# Altium PCB HYDRA_V4_NAV.PcbDoc (part 1 of 2) (continued)
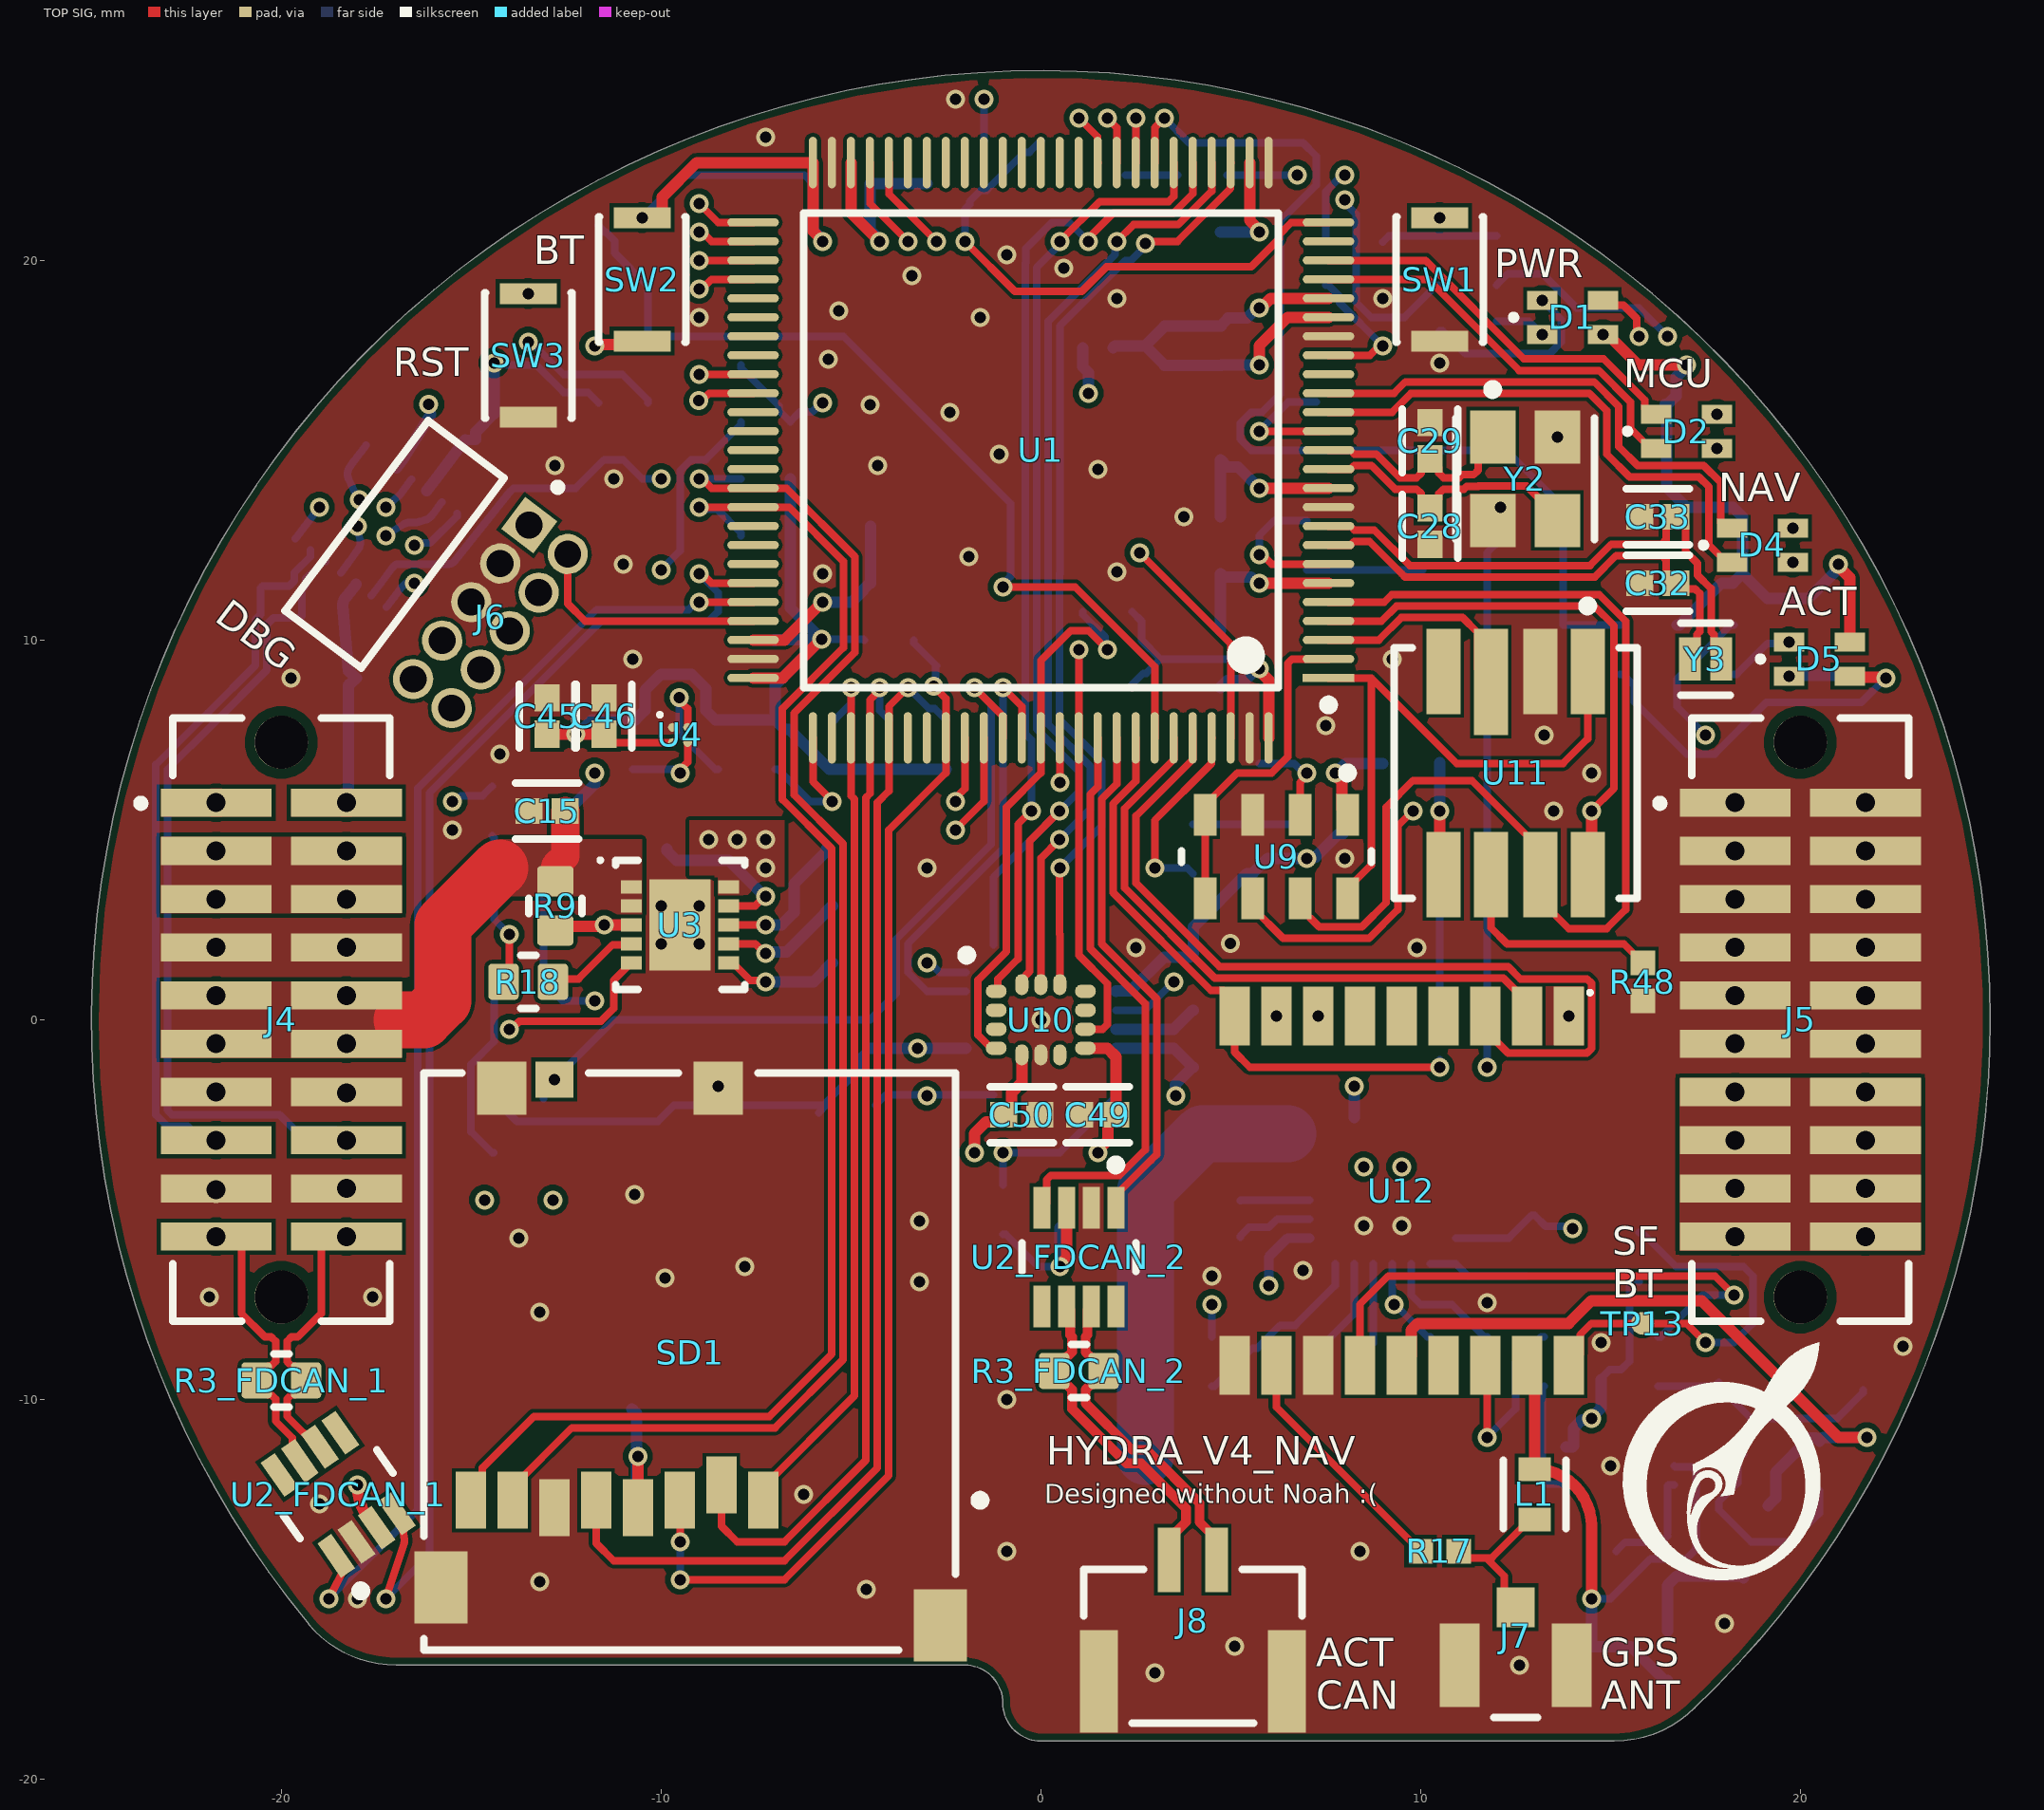
[diagram p0: TOP SIG view]
## Components (designator, comment, footprint, x,y, rotation, side; value= is the part's Value field where it differs from the comment) (continued)
U4 "MMC5633NJL" BGA4C40P2X2_85X85X60 -9.5,7.5 r0 top
U6 "TCAN1146DYYRQ1" TCAN1146DYYRQ1-Footprint-1 -17.5,13 r233 bottom locked
U8 "IIM-20670" PQFN50P450X450X115_HS-25N 0,0 r270 bottom
U9 "MS561101BA03-50" MSI-MS561101BA03-50-8_V 6.2,4.3 r270 top
U10 "ICM-45686" PQFN50P300X250X86-14N 0,0 r0 top
U11 "MS580301BA01-00" FP-MS580301BA01-00-MFG 12.5,6.5 r90 top
U12 "MAX-M10M-00B" MAX-M10M-00B-Footprint-1 9.5,-4.5 r270 top
U13 "LT6000IDCB#TRMPBF" FP-DCB-6-05-08-1715-MFG 15.25,-11.75 r180 bottom
U14 "TPS259830ONRGER" QFN50P400X400X100_HS-25N 9,-4.5 r180 bottom
Y2 "ABM8G-25.000MHZ-18-D2Y-T" FP-ABM8G-MFG 12.75,14.25 r270 top
Y3 "ECS-.327-12.5-1210-TR" FP-ECX-1210-MFG 17.5,9.5 r0 top

## Footprints (in the part's own frame and the unit in brackets; to place one, negate y for a bottom-side part, rotate by r counter-clockwise, add the part's x,y. Pads: shape width x height; smd on the part's side, far side on the other; paste and mask are expansions set on the pad)
BGA4C40P2X2_85X85X60 [mm] "BGA, 4-Leads, Body 0.85x0.85mmx0.60mm, Pitch 0.40mm"
  round 0.23 smd: A1(-0.2,0.2) A2(0.2,0.2) B1(-0.2,-0.2) B2(0.2,-0.2)
  silkscreen extent -0.58,0.48 -0.48,0.58, body extent -0.43,-0.43 0.43,0.43, height 0.6
DIOD-SOT323-3_V [mm] "SOT323, 3-Leads, Body 2.2x1.35mm, Pitch 0.65mm"
  rect 0.9x0.7 smd: 1(-0.95,0.65) 2(-0.95,-0.65) 3(0.95,0)
  silkscreen extent -1.07,-1.1 0.67,1.67, body extent -1.1,-1.1 1.1,1.1, height 1.07
FP-0402-L_1_0_0_05-W_0_5-IPC_A [mm]
  rect 0.715x0.672 smd paste+0 mask+0: 1(-0.479,0) 2(0.479,0)
  silkscreen extent -0.84,-0.74 0.84,0.74, body extent -0.5,-0.25 0.5,0.25, height 0.55
FP-0466-MFG [mil]
  rect 45x80 smd paste+0 mask+0: 1(-52.5,0) 2(52.5,0)
  silkscreen extent -15,-32 15,32, body extent -62,-30 63,30, height 26
FP-0603L-MFG [mm]
  rect 1x1 smd paste+0 mask+0: 1(-0.9,0) 2(0.9,0)
  silkscreen extent -0.03,-0.5 0.03,0.5, body extent -0.8,-0.4 0.8,0.4, height 0.75
FP-205338-0004-MFG [mm]
  rect 1.1x1.45 smd paste+0 mask+0: 1(3,-3.725) 2(1,-3.725) 3(-1,-3.725) 4(-3,-3.725)
  rect 1.35x2.9 smd paste+0 mask+0: 5(-5.895,2.25) 6(5.895,2.25)
  silkscreen extent -6.07,-5.15 6.07,3.9, body extent -6.38,-4.15 6.38,3.8, height 2.8
FP-ABM8G-MFG [mm]
  rect 1.4x1.2 smd paste+0 mask+0: 1(-1.1,-0.85) 2(1.1,-0.85) 3(1.1,0.85) 4(-1.1,0.85)
  silkscreen extent -2.47,-1.83 1.6,1.83, body extent -1.9,-1.55 1.9,1.55, height 0.25
FP-BLM15-0_05-MFG [mm]
  rect 0.4x0.5 smd paste+0 mask+0: 1(-0.4,0) 2(0.4,0)
  silkscreen extent -0.53,-0.63 0.52,0.63, body extent -0.5,-0.25 0.5,0.25, height 0.55
FP-DCB-6-05-08-1715-MFG [mm]
  rect 0.7x0.25 smd paste+0 mask+0: 1(-1.425,0.5) 2(-1.425,0) 3(-1.425,-0.5) 4(1.425,-0.5) 5(1.425,0) 6(1.425,0.5)
  rect 1.65x1.35 smd paste+0 mask+0: 7(0,0)
  silkscreen extent -2.58,-1.05 1.55,1.05, body extent -1.5,-1 1.5,1, height 0.8
FP-DCN0008A-MFG [mm]
  rect 1.1x0.45 smd paste+0 mask+0: 1(-1.3,0.975) 2(-1.3,0.325) 3(-1.3,-0.325) 4(-1.3,-0.975) 5(1.3,-0.975) 6(1.3,-0.325) 7(1.3,0.325) 8(1.3,0.975)
  silkscreen extent -2.55,-1.5 0.38,1.5, body extent -1.95,-1.85 1.95,1.85, height 0.25
FP-ECX-1210-MFG [mm]
  rect 0.575x1.14 smd paste+0 mask+0: 1(-0.413,0) 2(0.413,0)
  silkscreen extent -0.65,-0.95 0.65,0.95, body extent -0.8,-0.67 0.8,0.67, height 0.25
FP-KXT331LHS-MFG [mm]
  rect 0.55x1.5 smd paste+0 mask+0: 1(-1.625,0) 2(1.625,0)
  silkscreen extent -1.65,-1.15 1.65,1.15, body extent -2,-1.25 2,1.25, height 0.25
FP-LQFP100-1L-IPC_C [mm]
  rect 1.355x0.212 smd paste+0 mask+0: 1(-7.575,6)
  rrect100% 1.355x0.212 smd paste+0 mask+0: 2(-7.575,5.5) 3(-7.575,5) 4(-7.575,4.5) 5(-7.575,4) 6(-7.575,3.5) 7(-7.575,3) 8(-7.575,2.5) 9(-7.575,2) 10(-7.575,1.5) 11(-7.575,1) 12(-7.575,0.5) 13(-7.575,0) 14(-7.575,-0.5) 15(-7.575,-1) 16(-7.575,-1.5) 17(-7.575,-2) 18(-7.575,-2.5) 19(-7.575,-3) 20(-7.575,-3.5) 21(-7.575,-4) 22(-7.575,-4.5) 23(-7.575,-5) 24(-7.575,-5.5) 25(-7.575,-6) 51(7.575,-6) 52(7.575,-5.5) 53(7.575,-5) 54(7.575,-4.5) 55(7.575,-4) 56(7.575,-3.5) 57(7.575,-3) 58(7.575,-2.5) 59(7.575,-2) 60(7.575,-1.5) 61(7.575,-1) 62(7.575,-0.5) 63(7.575,0) 64(7.575,0.5) 65(7.575,1) 66(7.575,1.5) 67(7.575,2) 68(7.575,2.5) 69(7.575,3) 70(7.575,3.5) 71(7.575,4) 72(7.575,4.5) 73(7.575,5) 74(7.575,5.5) 75(7.575,6)
  rrect100% 0.212x1.355 smd paste+0 mask+0: 26(-6,-7.575) 27(-5.5,-7.575) 28(-5,-7.575) 29(-4.5,-7.575) 30(-4,-7.575) 31(-3.5,-7.575) 32(-3,-7.575) 33(-2.5,-7.575) 34(-2,-7.575) 35(-1.5,-7.575) 36(-1,-7.575) 37(-0.5,-7.575) 38(0,-7.575) 39(0.5,-7.575) 40(1,-7.575) 41(1.5,-7.575) 42(2,-7.575) 43(2.5,-7.575) 44(3,-7.575) 45(3.5,-7.575) 46(4,-7.575) 47(4.5,-7.575) 48(5,-7.575) 49(5.5,-7.575) 50(6,-7.575) 76(6,7.575) 77(5.5,7.575) 78(5,7.575) 79(4.5,7.575) 80(4,7.575) 81(3.5,7.575) 82(3,7.575) 83(2.5,7.575) 84(2,7.575) 85(1.5,7.575) 86(1,7.575) 87(0.5,7.575) 88(0,7.575) 89(-0.5,7.575) 90(-1,7.575) 91(-1.5,7.575) 92(-2,7.575) 93(-2.5,7.575) 94(-3,7.575) 95(-3.5,7.575) 96(-4,7.575) 97(-4.5,7.575) 98(-5,7.575) 99(-5.5,7.575) 100(-6,7.575)
  silkscreen extent -7.7,-6.25 6.25,6.83, body extent -8.35,-8.35 8.35,8.35, height 0.25
FP-LQW18AN_00-MFG [mm]
  rect 0.625x0.85 smd paste+0 mask+0: 1(-0.663,0) 2(0.663,0)
  silkscreen extent -0.9,-0.82 0.9,0.82, body extent -0.8,-0.4 0.8,0.4, height 1
FP-MS580301BA01-00-MFG [mm]
  rect 2.25x0.9 smd paste+0 mask+0: 1(2.675,-1.9) 2(2.675,-0.65) 4(2.675,1.9) 5(-2.675,1.9) 6(-2.675,0.65) 7(-2.675,-0.65) 8(-2.675,-1.9)
  rect 2.8x0.9 smd paste+0 mask+0: 3(2.4,0.65)
  silkscreen extent -3.3,-3.2 4.52,3.2, body extent -3.9,-3.3 3.9,3.3, height 0.25
FP-SM02B-GHS-TB_LF_SN-MFG [mm]
  rect 0.6x1.7 smd paste+0 mask+0: 1(-0.625,2.275) 2(0.625,2.275)
  rect 1x2.7 smd paste+0 mask+0: 3(-2.475,-0.925) 4(2.475,-0.925)
  silkscreen extent -2.88,-2.02 2.88,2.02, body extent -3.08,-2.37 3.08,3.22, height 0.25
FP-U_FL-R-SMT_10-MFG [mm]
  rect 1x1.05 smd paste-1000 mask+0: 1(0,1.525)
  rect 1.05x2.2 smd paste-1000 mask+0: 2(-1.475,0) 3(1.475,0)
  silkscreen extent -0.58,-1.38 0.58,-1.38, body extent -2.1,-1.48 2.1,2.15, height 0.25
FTSH-105-01-F-D-RA-K-Footprint-1 [mm]
  rect 1.06x1.06 hole 0.71: 01(2.54,0)
  round 1.06 hole 0.71: 02(2.54,-1.27) 03(1.27,0) 04(1.27,-1.27) 05(0,0) 06(0,-1.27) 07(-1.27,0) 08(-1.27,-1.27) 09(-2.54,0) 10(-2.54,-1.27)
  silkscreen extent -3.13,-0.1 3.88,3.78, body extent -3.14,-1.54 3.14,6.92, height 5.04
MAX-M10M-00B-Footprint-1 [mm]
  rect 1.55x0.8 smd: 1(-4.6,4.4) 2(-4.6,3.3) 3(-4.6,2.2) 4(-4.6,1.1) 5(-4.6,0) 6(-4.6,-1.1) 7(-4.6,-2.2) 8(-4.6,-3.3) 9(-4.6,-4.4) 10(4.6,-4.4) 11(4.6,-3.3) 12(4.6,-2.2) 13(4.6,-1.1) 14(4.6,0) 15(4.6,1.1) 16(4.6,2.2) 17(4.6,3.3) 18(4.6,4.4)
  silkscreen extent -5.26,4.91 -5.16,5.01, body extent -4.85,-5.35 4.85,5.05, height 2.7
MOLX-473521001_V [mm] "SMD, 8-Leads, Body 15.2x14mm, Pitch 1.1mm"
  rect 0.8x1.5 smd: 1(1.94,-3.66) 2(0.84,-3.26) 3(-0.26,-3.66) 4(-1.36,-3.86) 5(-2.46,-3.66) 6(-3.56,-3.86) 7(-4.66,-3.66) 8(-5.76,-3.66)
  rect 1x0.95 smd: 9(-3.56,7.425)
  rect 1.3x1.4 smd: 10(-4.95,7.2) 11(0.75,7.2)
  rect 1.4x1.9 smd: 12(6.6,-6.95) 13(-6.55,-5.95)
  silkscreen extent -7,-7.6 7.78,7.6, body extent -7.05,-7.6 7.05,7.6, height 1.85
MSI-MS561101BA03-50-8_V [mm] "SMD, 8-Leads, Body 5x3mm, Pitch 1.25mm"
  rect 1.1x0.6 smd: 1(-1.1,1.875) 2(-1.1,0.625) 3(-1.1,-0.625) 4(-1.1,-1.875) 5(1.1,-1.875) 6(1.1,-0.625) 7(1.1,0.625) 8(1.1,1.875)
  silkscreen extent -2.32,-2.5 0.15,2.5, body extent -1.5,-2.5 1.5,2.5, height 1
"New footprint 1" [mm]
  round 0.6 smd paste-1: 1(0,0)
ONSC-SOD-523-2-502-01_V [mm] "SOD, 2-Leads, Body 1.2x0.8mm"
  rect 0.48x0.4 smd: 1(-0.66,0) 2(0.66,0)
  silkscreen extent -0.75,-0.4 0.07,0.65, body extent -0.6,-0.4 0.6,0.4, height 0.7
PQFN50P300X250X86-14N [mm] "PQFN, 14-Leads, Body 3.00x2.50mm, Pitch 0.50mm, IPC Medium Density"
  oval 0.55x0.35 smd: 1(-1.175,0.75) 2(-1.175,0.25) 3(-1.175,-0.25) 4(-1.175,-0.75) 8(1.175,-0.75) 9(1.175,-0.25) 10(1.175,0.25) 11(1.175,0.75)
  oval 0.35x0.55 smd: 5(-0.5,-0.925) 6(0,-0.925) 7(0.5,-0.925) 12(0.5,0.925) 13(0,0.925) 14(-0.5,0.925)
  silkscreen extent -2.07,1.58 -1.82,1.82, body extent -1.5,-1.25 1.5,1.25, height 0.86
PQFN50P450X450X115_HS-25N [mm] "PQFN, 24-Leads, Body 4.50x4.50mm, Pitch 0.50mm, Thermal Pad 2.94x2.94mm, IPC Medium Density"
  oval 0.65x0.35 smd: 1(-1.975,1.25) 2(-1.975,0.75) 3(-1.975,0.25) 4(-1.975,-0.25) 5(-1.975,-0.75) 6(-1.975,-1.25) 13(1.975,-1.25) 14(1.975,-0.75) 15(1.975,-0.25) 16(1.975,0.25) 17(1.975,0.75) 18(1.975,1.25)
  oval 0.35x0.65 smd: 7(-1.25,-1.975) 8(-0.75,-1.975) 9(-0.25,-1.975) 10(0.25,-1.975) 11(0.75,-1.975) 12(1.25,-1.975) 19(1.25,1.975) 20(0.75,1.975) 21(0.25,1.975) 22(-0.25,1.975) 23(-0.75,1.975) 24(-1.25,1.975)
  rect 2.94x2.94 smd: 25(0,0)
  silkscreen extent -3.07,-2.3 2.3,2.3, body extent -2.3,-2.3 2.3,2.3, height 1.15
PSON50P300X100_HS-11N [mm] "PSON, 10-Leads, Body 3.00x3.00mm, Pitch 0.50mm, Thermal Pad 2.40x1.62mm, IPC Medium Density"
  rect 0.55x0.35 smd: 1(-1.285,1) 2(-1.285,0.5) 3(-1.285,0) 4(-1.285,-0.5) 5(-1.285,-1) 6(1.285,-1) 7(1.285,-0.5) 8(1.285,0) 9(1.285,0.5) 10(1.285,1)
  rect 1.62x2.4 smd: 11(0,0)
  silkscreen extent -2.15,-1.7 1.7,1.75, body extent -1.55,-1.55 1.55,1.55, height 1
QFN50P400X400X100_HS-25N [mm] "QFN, 24-Leads, Body 4.00x4.00mm, Pitch 0.50mm, Thermal Pad 2.65x2.65mm, IPC Medium Density"
  oval 0.85x0.25 smd: 1(-1.925,1.25) 2(-1.925,0.75) 3(-1.925,0.25) 4(-1.925,-0.25) 5(-1.925,-0.75) 6(-1.925,-1.25) 13(1.925,-1.25) 14(1.925,-0.75) 15(1.925,-0.25) 16(1.925,0.25) 17(1.925,0.75) 18(1.925,1.25)
  oval 0.25x0.85 smd: 7(-1.25,-1.925) 8(-0.75,-1.925) 9(-0.25,-1.925) 10(0.25,-1.925) 11(0.75,-1.925) 12(1.25,-1.925) 19(1.25,1.925) 20(0.75,1.925) 21(0.25,1.925) 22(-0.25,1.925) 23(-0.75,1.925) 24(-1.25,1.925)
  rect 2.65x1.4 smd: 25(0,0.625)
  rect 2.65x0.8 smd: 26(0,-0.935)
  silkscreen extent -2.98,-2.2 2.2,2.2, body extent -2.05,-2.05 2.05,2.05, height 1
R0603B [mm] "Chip Resistor, 0603, 2-Leads, Body 1.58x0.85mm, IPC Medium Density"
  rrect25% 0.8x0.95 smd: 1(-0.65,0) 2(0.65,0)
  silkscreen extent -0.2,-0.7 0.2,0.7, body extent -0.82,-0.48 0.82,0.48, height 0.5
RESC1005X40X25ML05T05 [mm] "Chip Resistor, 2-Leads, Body 1.00x0.50mm, IPC Low Density"
  rect 0.65x0.65 smd: 1(-0.5,0) 2(0.5,0)
  body extent -0.53,-0.27 0.53,0.28, height 0.4
SFML-110-02-L-D-A-Footprint-1 [mm]
  rect 0.74x2.22 smd: 01(-5.715,1.365) 02(-5.715,-1.365) 03(-4.445,1.365) 04(-4.445,-1.365) 05(-3.175,1.365) 06(-3.175,-1.365) 07(-1.905,1.365) 08(-1.905,-1.365) 09(-0.635,1.365) 10(-0.635,-1.365) 11(0.635,1.365) 12(0.635,-1.365) 13(1.905,1.365) 14(1.905,-1.365) 15(3.175,1.365) 16(3.175,-1.365) 17(4.445,1.365) 18(4.445,-1.365) 19(5.715,1.365) 20(5.715,-1.365)
  round 1.4 hole 1.4 unplated: ""(-7.305,0) ""(7.305,0)
  silkscreen extent -6.54,-1.53 6.54,3.17, body extent -7.94,-2.04 7.94,2.16, height 4.57
TCAN1146DYYRQ1-Footprint-1 [mil]
  rect 38.5x12 smd paste+0 mask+0: 1(-60.75,59.07) 2(-60.75,39.38) 3(-60.75,19.69) 4(-60.75,0) 5(-60.75,-19.69) 6(-60.75,-39.38) 7(-60.75,-59.07) 8(60.75,-59.07) 9(60.75,-39.38) 10(60.75,-19.69) 11(60.75,0) 12(60.75,19.69) 13(60.75,39.38) 14(60.75,59.07)
  silkscreen extent -46,-89 100,90, body extent -66,-84 66,84, height 43
TFML-110-02-L-D-A-Footprint-1 [mm]
  rect 0.74x2.92 smd: 01(-5.715,-1.715) 02(-5.715,1.715) 03(-4.445,-1.715) 04(-4.445,1.715) 05(-3.175,-1.715) 06(-3.175,1.715) 07(-1.905,-1.715) 08(-1.905,1.715) 09(-0.635,-1.715) 10(-0.635,1.715) 11(0.635,-1.715) 12(0.635,1.715) 13(1.905,-1.715) 14(1.905,1.715) 15(3.175,-1.715) 16(3.175,1.715) 17(4.445,-1.715) 18(4.445,1.715) 19(5.715,-1.715) 20(5.715,1.715)
  round 1.4 hole 1.4 unplated: ""(-7.305,0) ""(7.305,0)
  silkscreen extent -7.94,-3.8 7.94,2.86, body extent -7.94,-2.92 7.94,2.92, height 5.59
WL-SBCD_0606 [mm] "SMT Bi-color Chip LED Diffuesed, body 1.5x1.6mm"
  rect 0.5x0.8 smd: 1(-0.45,0.8) 2(-0.45,-0.8) 3(0.45,-0.8) 4(0.45,0.8)
  silkscreen extent -0.07,1.47 0.07,1.62, body extent -0.75,-0.8 0.75,0.8, height 0.55

## Part data
C1 C2_FDCAN_1 C2_FDCAN_2 C3 C4 C5 C7 C8 C9 C10 C11 C12 C13 C14 C15 C16 C17 C18 C19 C20 C21 C22 C23 C24 C25 C28 C29 C30 C31 C32 C33 C34 C35 C36 C37 C38 C39 C40 C41 C42 C43 C44 C45 C46 C47 C48 C49 C50 C51 C52 C53 C54 C55: library part CMP-001-00058-1, "LARGE PADS, 0402 CAP, CHANGE COMMENT TO MATCH REAL P/N", Capacitor Type=Ceramic, Case/Package=0402, Max Operating Temperature=85°C, Min Operating Temperature=-55°C, Mounting Technology="Surface Mount", Pins=2, RoHS Compliant=Yes
D1 D2 D4 D5: library part CMP-004-00040-2, "Led, Red/Grn, 180Mcd/230Mcd, 624Nm/525Nm Rohs Compliant: Yes", Component Type=Standard, Design Item ID=CMP-004-00034-2, Pins=4, Source=rgled.SchLib
D3: library part CMP-1060-00750-1, "Zener Voltage Regulator, 500 mW, 2-Pin SOD-523, Pb-Free, Tape and Reel", Manufacturer="On Semiconductor", ComponentLink1Description="Manufacturer URL", ComponentLink1URL=http://www.onsemi.com/, ComponentLink2Description=Datasheet, ComponentLink2URL=http://www.onsemi.cn/pub_link/Collateral/MM5Z2V4T1-D.PDF, ComponentLink3Description="Package Specification", ComponentLink3URL=http://www.onsemi.com/pub_link/Collateral/502-01.PDF, DatasheetVersion="Rev. 10", Mounting Technology="Surface Mount", P Max (W)=0.5, PackageDescription="2-Pin SOD, Body 1.2 x 0.8 mm", PackageReference=SOD-523-2-502-01, PackageVersion="Rev. E, 09/2010", Packing="Tape and Reel", PartNumber=MM5Z3V3T1G, RoHS=Pb-Free, VZ Typ (V)=3.3
F1: library part CMP-08605-000032-1, "FUSE BOARD MNT 5A 32VAC/VDC 1206", Fuse Current=5A, Fuse Interrupt Ac Current=50A, Fuse Voltage Drop=73.75mV, Manufacturer="Littelfuse Inc", Max Fuse Ac Voltage=32V, Package=0466, Resistance=0.011Ω, Temperature="-55°C to +90°C", Temperature Range High=+90°C, Temperature Range Low=-55°C, Automotive=No, Category=Fuse, ComponentLink2Description=Datasheet, ComponentLink2URL=https://www.littelfuse.com/~/media/electronics/datasheets/fuses/littelfuse_fuse_466_datasheet.pdf.pdf, Device Class L1="Circuit Protection", Device Class L2=Fuses, Device Class L3=unset, Digikey Description="FUSE BOARD MNT 5A 32VAC/VDC 1206", Fuse Blow Speed=Fast, Fuse I2T=2.5A2Sec, Fuse Interrupt Dc Current=50A, Height=0.66mm, Lead Free=Yes, Manufacturer Part Number=0466005.NR, Max Fuse Dc Voltage=32V, Mouser Description="Surface Mount Fuses 32V 5A VFA Slimline", Octopart=https://octopart.com/0466005.nr-littelfuse-143206, RoHS=TRUE, Voltage Rating=32V
F2: library part CMP-08606-000025-1, "PTC RESET FUSE 15V 100MA 0603", Ambient Temperature Range High=+85°C, Ambient Temperature Range Low=-40°C, Current Rating=40A, Hold Current=0.1A, Manufacturer="Littelfuse Inc", Package=0603L, Resistance=0.9-6Ω, Temperature="-40°C to +85°C", Trip Current=0.3A, Voltage Rating=15V, Automotive=No, Category=Fuse, ComponentLink2Description=Datasheet, ComponentLink2URL=https://www.littelfuse.com/~/media/electronics/datasheets/resettable_ptcs/littelfuse_ptc_0603l_datasheet.pdf.pdf, Device Class L1="Circuit Protection", Device Class L2="PTC Resettable Fuses", Device Class L3=unset, Digikey Description="PTC RESET FUSE 15V 100MA 0603", Height=0.75mm, Lead Free=Yes, Manufacturer Part Number=0603L010YR, Mouser Description="Resettable Fuses - PPTC PTC 15V 0603 .100A POLY SURF MOUNT", Octopart=https://octopart.com/0603l010yr-littelfuse-8316166, RoHS=TRUE, Temperature Range High=+85°C, Temperature Range Low=-40°C, Trip Time=1s
FB1: library part CMP-0686-00252-4, "Chip Ferrite Bead, 0402, 600Ω @ 100MHz, 0.23Ω, 25%, 900mA", Case Code (Imperial)=0402, Case Code (Metric)=1005, Current Rating=900mA, DC Resistance (DCR)=230mR, Max Operating Temperature=125°C, Min Operating Temperature=-55°C, Package Quantity=10000, Test Frequency=100MHz, Tolerance=25%, Case/Package=0402, Height=0.5mm, Impedance=600R, Lead Free="Lead Free", Length=1mm, Material=Steel, Max Current Rating=900mA, Max DC Current=900mA, Number of Circuits=1, Number of Lines=1, Number of Pins=2, Packaging="Tape and Reel", Termination=SMD/SMT, Width=0.5mm
J1 J2: library part CMP-002-00043-1, "Board Connector, 20 Contact(s), 2 Row(s), Female, Straight, 0.05 inch Pitch, Surface Mount Terminal, Locking, Black Insulator, Socket", Connector Type="BOARD CONNECTOR", Mounting Technology=Board, RoHS Compliant=Yes
J3: library part CMP-04776-000717-1, "PICO-LOCK 2.0 W/B HEADER ASSY ET"
J4 J5: library part CMP-002-00042-3, "Board Connector, 20 Contact(s), 2 Row(s), Male, Straight, Surface Mount Terminal", Connector Type="BOARD CONNECTOR", Mounting Technology=Board, RoHS Compliant=Yes
J6: library part CMP-002-00041-5, "Board Connector, 10 Contact(s), 2 Row(s), Male, Right Angle, 0.05 inch Pitch, Surface Mount Terminal, Locking, Black Insulator", Connector Type="BOARD CONNECTOR", Mounting Technology=Board, RoHS Compliant=Yes
J7: library part CMP-0029-00003-2, "CONN U.FL RCPT STR 50 OHM SMD", Case/Package=SMD/SMT, Dielectric Material=Polymer, Frequency=6GHz, Housing Color=Beige, Max Operating Temperature=90°C, Min Operating Temperature=-40°C, Package Quantity=1, Body Material=Bronze, Body Plating=Silver, Connector Type=Coaxial, Contact Material=Brass, Contact Plating=Gold, Depth=3.1mm, Fastening Type=Snap, Impedance=50R, Lead Free="Lead Free", Length=3mm, Max Frequency=6GHz, Mount="Surface Mount", Orientation=Vertical, Packaging="Tape and Reel", Plating=Silver, Radiation Hardening=No, Termination=Solder
J8: library part CMP-002-00083-1, "MCU 32-bit LPC1800 ARM Cortex M3 RISC 768KB Flash 3.3V 100-Pin TFBGA Tray"
L1: library part CMP-06042-013840-1, "Wire Wound RF Inductor 27nH ±5% 440mA 0.21Ω 0603 (1608)", Case Code (Imperial)=0603, Case Code (Metric)=1608, Current Rating=440mA, DC Resistance (DCR)=210mR, Inductance=27nH, Max Operating Temperature=125°C, Min Operating Temperature=-55°C, Package Quantity=4000, Resistor Type=Wirewound, Self Resonant Frequency=3.7GHz, Test Frequency=100MHz, Tolerance=5%, Case/Package=0603, Core Material=Non-Magnetic, DC Current=440mA, Depth=1mm, Height=0.8mm, Height - Seated (Max)=0.039inch, Lead Free="Lead Free", Length=1.6mm, Max DC Current=440mA, Military Standard=Not, Mount="Surface Mount", Packaging="Tape and Reel", Q Factor=40, Radiation Hardening=No, Shielding=Unshielded, Termination=SMD/SMT, Weight=0.000106oz, Width=0.8mm
Q2 Q10: library part CMP-2000-05968-1, "N-Channel Enhancement Mode Mosfet, 50 V, 200 mA, -55 to 150 degC, 6-Pin SOT-323, RoHS, Tape and Reel", Id - Continuous Drain Current=200mA, Manufacturer=DiodesIncorporated, Maximum Operating Temperature=+150C, Minimum Operating Temperature=-55C, Package / Case=SOT-323-3, Package Description="3-Pin Small Outline Transistor, Body 2 x 1.25 mm, Pitch 0.65 mm", Package Reference=SOT323, Pd - Power Dissipation=200mW, Rds On - Drain-Source Resistance=1.4Ohms, Vds - Drain-Source Breakdown Voltage=75V, Vgs - Gate-Source Voltage=20V, Brand=DiodesIncorporated, Channel Mode=Enhancement, Configuration=Single, Datasheet URL=http://www.diodes.com/_files/datasheets/ds30206.pdf, Datasheet Version="Rev. 11-2, 09/2013", Factory Pack Quantity=3000, Forward Transconductance - Min=0.1S, Height=1mm, Length=2.2mm, Manufacturer URL=http://www.diodes.com/, Mounting Style=SMD/SMT, Mounting Technology=SurfaceMount, Number of Channels=1Channel, Packaging=Reel, Product=MOSFETSmallSignal, Product Category=MOSFET, RoHS=True, Series=BSS138, Technology=Si, Transistor Polarity=N-Channel, Transistor Type=1N-Channel, Type=EnhancementModeFieldEffectTransistor, Typical Turn-Off Delay Time=20ns, Typical Turn-On Delay Time=20ns, Unit Weight=0.000212oz, Width=1.35mm
Q8 Q9 Q17: library part CMP-2000-06170-1, "P-Channel Enhancement Mode MOSFET, 310 mW, 20 V, -55 to 150 degC, 3-Pin SOT-323, RoHS, Tape and Reel", Drain-Source On Resistance-Max=750mO, Drain-to-Source Voltage [Vdss]=20V, Manufacturer="Diodes Inc", Package Description="3-Pin Small Outline Transistor, Body 2 x 1.25 mm, Pitch 0.65 mm", Package Reference=SOT323, Rated Power Dissipation=310mW, Channel Type=P-Channel, Datasheet URL=http://www.diodes.com/_files/datasheets/ds31861.pdf, Datasheet Version="Rev. 3-2, 09/2013", Manufacturer URL=http://www.diodes.com/, Mounting Technology=SurfaceMount, Qg Gate Charge=0.622nC
R1 R2 R3_FDCAN_1 R3_FDCAN_2 R4 R5 R6 R7 R8 R9 R10 R11 R12 R13 R14 R15 R16 R18 R19 R20 R21 R22 R23 R24 R25 R26 R27 R28 R29 R30 R31 R32 R33 R34 R35 R36 R37 R38 R39 R40 R41 R42 R43 R44 R45 R46 R47 R49 R50 R51 R52 R53 R54 R55 R56 R57 R58 R59 R60 R61 R62 R63 R64 R65 R66 R67 R68: library part CMP-009-00002-14, "Resistor"
R17 R48 R82: library part CMP-009-00118-2, "READ THE NAME", Component Type=Standard, Design Item ID=CMP-009-00206-2, Pins=2, Source=0402jump.SchLib
SD1: library part CMP-2000-05848-1, "MicroSD(TM), Pitch 1.1 mm, 8 Position, Height 1.88 mm, -20 to 85 degC, RoHS, Tape and Reel", Manufacturer=Molex, Package Description="MicroSD(TM), Pitch 1.1 mm, 8 Position, Height 1.88 mm", Datasheet URL=http://www.molex.com/pdm_docs/sd/473521001_sd.pdf, Datasheet Version="Rev. G, 01/2012", Manufacturer URL=http://www.molex.com/, Mounting Technology=SurfaceMount, Package Reference=473521001
SW1 SW2 SW3: library part CMP-10040-000029-1, "SWITCH TACTILE SPST-NO 0.02A 15V", Current Rating=5A, Flammability Rating="UL94 V-0", Insulation Color=Black, Max Operating Temperature=85°C, Min Operating Temperature=-40°C, Operating Force=240gf, Actuator Type=Standard, Connector Type=USB, Contact Plating=Gold, Gender=Receptacle, Illumination Type=Non-Illuminated, Mechanical Life=500000Cycles, Mount="Surface Mount", Number of Contacts=24, Number of Ports=1, Packaging="Tape and Reel", Switch Function=Off-Mom, Switch Travel=0.13mm, Termination=Solder, Throw Configuration=SPST
TP13: library part CMP-00025-2, "Test Point .6mm"
U1: library part CMP-12105-000107-1, "IC MCU 32BIT 128KB FLASH 100LQFP"
U2_FDCAN_1 U2_FDCAN_2: library part CMP-04872-000178-1, "IC TRANSCEIVER 1/1 SOT23-8", Case/Package=SOT-23-8, Max Operating Temperature=125°C, Min Operating Temperature=-40°C, Data Rate=1Mbps, Lead Free="Lead Free", Mount="Surface Mount", Packaging="Tape and Reel", RoHS Compliant=Yes
U3: library part CMP-019-00048-3, "2.7-V to 40-V 152-mΩ 1.8-A eFuse with output power limiting 10-VSON -40 to 125"
U4: library part CMP-010-00014-2, "Magnetoresistive Sensor X, Y, Z Axis 4-WLP (0.85x0.85)"
U6: library part CMP-318-000000-2, "Automotive CAN FD transceiver with watchdog, bus diagnostics and partial networking via sele 14-SOT-23-THIN -40 to 150", Component Type=Standard, Design Item ID=CMP-015-00012-2, Pin Count=14, Source=TCAN1146DYYRQ1.SchLib
U8: library part CMP-010-00029-4, "6-axis IMU with extended temperature range and high VRE performance"
U9: library part CMP-2000-05251-1, "Barometric Pressure Sensor, with Stainless Steel Cap, 1.8 to 3.6 V, -45 to 85 degC, 8-Pin QFN, RoHS, Tape and Reel", Manufacturer="Measurement Specialties", Operating Pressure Max=1200mbar, Operating Pressure Min=10mbar, Operating Temperature Max=85degC, Operating Temperature Min=-40degC, Package Description="8-Pin Surface Mount Device, Body 5 x 3 mm, Pitch 1.25 mm", Package Reference=MS561101BA03-50-8, Sensor Case Style=QFN, Supply Current=12.5µA, Supply Voltage Max=3.6V, Supply Voltage Min=1.8V, Connection Size=0.5mm, Datasheet URL=http://www.te.com/commerce/DocumentDelivery/DDEController?Action=srchrtrv&DocNm=MS5611-01BA03&DocType=Data+Sheet&DocLang=English&DocFormat=pdf&PartCntxt=CAT-BLPS0036, Datasheet Version=Sep-15, Manufacturer URL=http://www.meas-spec.com/, No. of Pins=8, Pressure Type=Barometric, SVHC=NoSVHC(20-Jun-2013)
U10: library part CMP-010-00035-1, "Ultra High-Performance 6-Axis MEMS Motion Sensor"
U11: library part CMP-03338-000001-1, "MINIATURE ALTIMETER MODULE", Manufacturer="TE Connectivity", Max Supply Voltage=3.6V, Min Supply Voltage=1.8V, Operating Supply Current=0.9-12.5uA, Package=0, Temperature="-40°C to +85°C", Temperature Range High=+85°C, Temperature Range Low=-40°C, Automotive=No, Category=IC, ComponentLink2Description=Datasheet, ComponentLink2URL=https://www.te.com/commerce/DocumentDelivery/DDEController?Action=showdoc&DocId=Data+Sheet%7FMS5803-01BA%7FB3%7Fpdf%7FEnglish%7FENG_DS_MS5803-01BA_B3.pdf%7FMS580301BA01-00, Device Class L1=Sensors, Device Class L2="Pressure Sensors", Device Class L3=unset, Digikey Description="MINIATURE ALTIMETER MODULE", Height=3.33mm, Lead Free=Yes, Manufacturer Part Number=MS580301BA01-00, Mouser Description="MS5803-01BA Series 3 V 1 to 130 kPa Miniature Variometer Module", Octopart=https://octopart.com/ms580301ba01-00-te+connectivity-59208927, Port Style="No Port", Response Time=8.22ms, RoHS=TRUE, Sensor Output=I2C,SPI, Standoff Height=0.1mm
U12: library part CMP-010-00031-2, "Gnss Lcc Rx Mod, Rom, Crystal"
U13: library part CMP-09116-000039-1, "IC OPAMP GP 1 CIRCUIT 6DFN", Case/Package=DFN, Input Bias Current=12nA, Input Offset Voltage (Vos)=1.2mV, Max Operating Temperature=85°C, Max Supply Voltage=18V, Min Operating Temperature=-40°C, Min Supply Voltage=1.8V, Operating Supply Current=20uA, Output Current per Channel=10mA, Package Quantity=1, Power Supply Rejection Ratio (PSRR)=86dB, Voltage Gain=120dB, Bandwidth=60kHz, Common Mode Rejection Ratio=68dB, Gain Bandwidth Product=60kHz, Lead Free="Lead Free", Mount="Surface Mount", Number of Amplifiers=1, Number of Circuits=1, Number of Elements=1, Number of Pins=6, Packaging="Tape and Reel", REACH SVHC="No SVHC", Slew Rate=0.018V/µs, Unity Gain Bandwidth Product=60kHz
U14: library part CMP-019-00050-3, "2.7-V to 26-V, 2.7-mΩ 18-A integrated hot-swap eFuse with current monitor and blocking FET driver 24-VQFN -40 to 125"
Y2: library part CMP-2000-05733-3, "Crystal 25MHz ±20ppm (Tol) ±30ppm (Stability) 18pF FUND 60Ω 4-Pin SMD T/R", Case/Package=CSMD, ESR (Equivalent Series Resistance)=60R, Frequency=25MHz, Frequency Stability=30ppm, Frequency Tolerance=20ppm, Load Capacitance=18pF, Max Operating Temperature=85°C, Min Operating Temperature=-40°C, Operating Frequency="25 MHz", Package Quantity=1000, Depth=2.5mm, Height=0.039inch, Lead Free="Lead Free", Length=3.2mm, Mount="Surface Mount", Number of Pins=4, Packaging="Tape and Reel", Radiation Hardening=No, Series=ABM8G, Series Resistance=60R, Termination=SMD/SMT, Tolerance=20ppm, Width=0.098inch
Y3: library part CMP-40224-000006-1, "CRYSTAL 32.7680KHZ 12.5PF SMD", Frequency=32.768kHz, Load Capacitance=12.5pF, Manufacturer="ECS International", Package=ECX-1210, Temperature="-40°C to +85°C", Temperature Range High=+85°C, Temperature Range Low=-40°C, Tolerance=20ppm, Automotive=No, Category=Crys, ComponentLink2Description=Datasheet, ComponentLink2URL=https://ecsxtal.com/store/pdf/ECX-1210.pdf, Device Class L1="Passive Components", Device Class L2="Crystals / Oscillators", Device Class L3=Crystals, Digikey Description="CRYSTAL 32.7680KHZ 12.5PF SMD", ESR=90kΩ, Height=0.5mm, Lead Free=Yes, Manufacturer Part Number=ECS-.327-12.5-1210-TR, Octopart=https://octopart.com/ecs-.327-12.5-1210-tr-ecs+international-81221340, RoHS=TRUE, Series=ECX-1210

## Via types
v1: diameter 0.5, hole 0.3, TOP SIG to BOTTOM SIG, tented both sides, 224 vias
v2: diameter 0.7, hole 0.5, TOP SIG to BOTTOM SIG, tented both sides, 40 vias

## Nets (pads, with @x,y where several pads share a name; then routed paths per layer and width w, separated by ;. In a path a pad name is that pad's centre, name@x,y a point inside that pad or via, vN(x,y) a via of type N, cw(c..) or ccw(c..) an arc to the next point about the centre after c; other vN are vias at no path point)
3V3: C2_FDCAN_1.1 C2_FDCAN_2.1 C3.1 C4.1 C5.1 C7.1 C8.1 C9.1 C18.1 C19.1 C23.1 C30.2 C34.1 C36.1 C37.1 C41.1 C42.1 C43.1 C44.1 C45.1 C46.1 C48.1 C49.1 C50.1 D1.2 D5.3 FB1.1 J6.01 Q8.2 R2.1 R21.1 R22.1 R23.1 R24.1 R25.1 R28.1 R29.2 R30.1 R31.1 R32.1 R33.1 R34.1 R35.1 R43.1 R46.1 R47.1 R49.1 R50.1 R54.1 R63.1 R64.1 R65.1 R66.1 SD1.4 SW2.2 U1.6 U1.11 U1.27 U1.50 U1.75 U1.100 U2_FDCAN_1.3 U2_FDCAN_2.3 U3.10 U4.B1 U6.5 U8.8 U8.11 U8.20 U9.1 U10.5 U10.8 U11.5 U13.6 | length 300.2
  TOP SIG w0.2: C46.1@-11.5,7.521 -11.279,7.3 U4.B1@-9.7,7.3
  TOP SIG w0.3: v1(-18,-12.25) ccw(c-16.511,-12.25) -17.564,-13.303 U2_FDCAN_1.3@-17.488,-13.378 ; C45.1@-13,7.521 v1(-12.25,7.521) C46.1@-11.5,7.521 ; SD1.4@-10.61,-12.86 v1(-10.61,-11.5) ; v1(-10.5,21.125) -10.094,21.125 -9.969,21.25 -9.969,21.668 -9.062,22.575 U1.50@-6,22.575 -6,20.776 -5.75,20.526 v1(-5.75,20.5) ; U1.75@-7.575,9 -6.8,9 v1(-5.775,10.025) ; v1(-1.75,-3.5) -1.75,-3 -1.436,-2.686 -1.143,-2.686 -0.771,-2.314 -0.771,-1.921 -0.5,-1.65 U10.5@-0.5,-0.925 U10.5@-0.49,-0.935 ; v1(0.5,-6.5) 0.5,-6.446 0.675,-6.271 U2_FDCAN_2.3@0.675,-4.95 ; U10.8@1.175,-0.75 1.75,-0.75 1.979,-0.979 C49.1@1.979,-2.5 1.957,-2.5 1.771,-2.686 1.771,-3.175 1.5,-3.446 v1(1.5,-3.5) ; U1.27@5.5,22.575 5.5,21.054 5.75,20.804 v1(5.75,20.75) ; v1(5.75,9.25) 5.75,9.196 6,8.946 U1.100@6,7.425 ; v1(5.75,11.5) U1.6@7.575,11.5 ; v1(5.75,14) U1.11@7.575,14 ; v1(7.75,6.5) 7.75,6.446 7.925,6.271 7.925,5.55 U9.1@8.075,5.4 ; v1(10.504,5.496) 10.504,3.921 U11.5@10.6,3.825 ; v1(14.8,18.05) 14.95,18.05 15.05,17.95 15.05,17.922 15.722,17.25 v1(17,17.25) ; v1(21,12) 21,11.946 21.3,11.646 D5.3@21.3,9.95
  GND w0.3: J6.01@-13.471,13.029 -13.454,13.046 -9.518,13.046 -6.497,10.025 v1(-5.775,10.025)
  GND w1: v1(3.552,-2) 3.552,-0.698 7,2.75 v1(7,4.25)
  PWR+SIG w0.2: v1(5.75,20.75) 7.957,20.75 8.5,21.293 8.5,21.807 8.057,22.25 v1(8,22.25)
  PWR+SIG w0.3: v1(-14.4,17.3) -14.4,17.246 -14.5,17.146 -14.5,14.057 J6.01@-13.471,13.029
  PWR+SIG w0.5: v1(-18,-12.25) -17.25,-11.5 v1(-10.61,-11.5) ; -2.25,-4 v1(-1.75,-3.5) ; v1(0.5,-6.5) 2.752,-8.752 12.752,-8.752 v1(14.5,-10.5) ; v1(5.75,9.25) 5.75,10.375 v1(5.75,11.5) ; v1(5.75,20.75) 5.75,19.669 6.5,18.919 6.5,16.25 13,16.25 v1(14.8,18.05) ; v1(7,4.25) 7,5 7.75,5.75 ; v1(7.75,6.5) 7.75,5.75 ; v1(10.504,5.496) 10.504,4.793 10.211,4.5 9,4.5 7.75,5.75
  PWR+SIG w0.75: v1(-5.775,10.025) -0.975,10.025 0,11 ; v1(-5.75,20.5) -1.75,16.5 v1(1.25,16.5) 5.404,16.5 5.529,16.375 6.375,16.375 6.5,16.25 6.75,16 6.75,15 v1(5.75,14) 4.613,14 4.588,14.025 3.025,14.025 0,11 ; 5.75,10.375 5.125,11 3.5,11 ; v1(7,4.25) 6.25,4.25 3.5,7 3.5,11 ; 0,11 3.5,11
  PWR+SIG w1: v1(-10.61,-11.5) -4.5,-11.5 v1(0.5,-6.5) ; -7,4.25 -6.75,4.25 -6.251,3.751 -6.251,3.001 -3.25,0 v1(-3.25,-0.75) -4,-1.5 -4,-2.5 0,-6.5 v1(0.5,-6.5) ; v1(3.552,-2) 2.052,-3.5 v1(1.5,-3.5) 0.5,-4.5 v1(0.5,-6.5)
  BOTTOM SIG w0.2: R35.1@-14.4,-2 -14.4,-2.075 -13.798,-2.677 -10.088,-2.677 -9.661,-2.25 R46.1@-5.65,-2.25 ; v1@-14.348,17.248 -13.289,17.248 -12.566,16.525 -11.925,16.525 R29.2@-11.65,16.25 ; v1(-10.5,21.125) -9.375,22.25 -6.229,22.25 C7.1@-6,22.021 ; R46.1@-5.848,-2.448 R46.1@-5.65,-2.25 ; v1(-5.775,10.025) -4.675,10.025 R23.1@-4.65,10 ; C43.1@-4.521,-0.75 -4.732,-0.961 -4.732,-1.257 -5.65,-2.175 R46.1@-5.65,-2.25 ; R47.1@-1,-5.65 -0.925,-5.65 -0.075,-6.5 v1(0.5,-6.5) ; R50.1@2.4,8.75 2.4,8.825 2.7,9.125 2.775,9.125 3.15,9.5 ; R49.1@2.4,10.75 2.658,10.492 2.658,9.992 3.15,9.5 ; 3.25,9.5 3.15,9.5 ; 3.325,9.5 5.493,9.5 v1@5.743,9.25 ; R21.1@7.5,20.65 7.5,21.807 7.943,22.25 v1(8,22.25) ; R65.1@10.5,0.25 10.5,1.824 10.504,1.828 v1(10.504,5.496) ; C41.1@14.75,-9.479 14.75,-9.457 14.986,-9.221 15.279,-9.221 15.5,-9 15.5,-6.9 15.563,-6.837 15.687,-6.837 R66.1@15.75,-6.9
  BOTTOM SIG w0.3: U6.5@-16.172,13.931 -15.966,14.201 -15.16,15.264 C23.1@-14.882,15.288 -14.882,15.478 -14.4,15.96 v1(-14.4,17.3) ; v1(-12.25,7.521) -12.196,7.521 -11.817,7.9 R63.1@-10.75,7.9 -10.675,7.9 -10.425,8.15 -10.425,8.675 -10,9.1 -9.2,9.1 -8.825,8.725 -8.825,8.15 -8.575,7.9 R64.1@-8.5,7.9 R2.1@-7,7.9 ; C37.1@-10.771,-12.75 -10.648,-12.627 v1@-10.648,-11.538 ; C36.1@-10.771,-10.25 -10.648,-10.373 v1@-10.648,-11.538 ; v1(-10.61,-11.5) v1@-10.648,-11.538 ; C8.1@-7.009,9.988 C8.1@-7.021,10 -7.009,10.012 v1@-5.788,10.012 ; R31.1@-6.6,14.25 R32.1@-6.6,12.75 -6.6,10.85 v1(-5.775,10.025) ; C7.1@-6,22.021 -6,20.804 -5.75,20.554 v1(-5.75,20.5) ; v1@-5.775,9.985 v1(-5.775,10.025) ; v1@-5.763,10.012 v1(-5.775,10.025) ; C43.1@-4.521,-0.75 v1(-3.25,-0.75) U8.20@-1.975,-0.75 ; R24.1@-2.5,6.6 R34.1@-4,6.6 R33.1@-5.5,6.6 -5.575,6.6 -6.625,7.65 -6.75,7.65 R2.1@-7,7.9 ; v1(0.5,-6.5) C2_FDCAN_2.1@0.5,-5.479 ; FB1.1@1.1,17.7 1.1,17.2 1.25,17.05 v1(1.25,16.5) ; U8.11@1.975,-0.75 3.5,-0.75 C44.1@4,-1.25 ; U8.8@1.975,0.75 1.985,0.76 2.36,0.76 3.246,1.646 3.917,1.646 C42.1@4.021,1.75 4.021,2.446 5.425,3.85 R43.1@5.5,3.85 5.575,3.85 5.975,4.25 v1(7,4.25) 7.038,4.288 7.238,4.288 7.85,4.9 7.95,4.9 8.15,5.1 Q8.2@8.15,5.2 ; v1(3.552,-2) 3.538,-1.987 3.538,-1.712 C44.1@4,-1.25 ; C44.1@4.021,-1.25 C44.1@4,-1.25 ; C9.1@4.729,8.75 4.915,8.936 5.382,8.936 5.696,9.25 5.743,9.25 v1(5.75,9.25) ; C18.1@4.729,10.25 C19.1@4.729,11.75 4.819,11.66 5.536,11.66 5.696,11.5 v1(5.75,11.5) ; C4.1@4.729,13.25 C3.1@4.729,14.75 4.915,14.564 5.186,14.564 v1(5.75,14) ; C5.1@4.729,20.75 v1(5.75,20.75) ; v1(7.75,6.5) 7.776,6.5 8.026,6.75 C34.1@9,6.75 ; C48.1@10.5,6.771 10.502,6.77 10.502,5.498 v1(10.504,5.496) v1@10.502,5.495 ; U13.6@13.825,-11.25 14,-11.25 14.025,-11.225 14.025,-10.766 14.253,-10.538 14.462,-10.538 v1(14.5,-10.5) ; v1@14.517,-10.537 14.537,-10.537 14.537,-10.444 14.75,-10.232 C41.1@14.75,-9.479 ; R25.1@16.437,16.212 R25.1@16.475,16.175 ; R54.1@16.75,10.4 16.825,10.4 17.925,11.5 18.225,11.5 R28.1@18.475,11.75 ; v1(17,17.25) 17,17.196 16.725,16.921 16.725,16.425 R25.1@16.475,16.175 ; v1(21,12) 21,11.878 20.221,11.098 19.127,11.098 R28.1@18.475,11.75 ; R2.1@-7,7.9 -7,8.8 v1@-5.788,10.012 ; v1@-5.788,10.012 v1(-5.775,10.025) ; R25.1@16.475,16.175 R22.1@16.475,14.825 16.475,14.025 17,13.5 18.225,13.5 18.475,13.25 R30.1@18.475,13.175 R28.1@18.475,11.825 R28.1@18.475,11.75
  other v1: -7.25,4 -8.75,4.748 -8,4.748 -7.25,4.748
3V3_nFLT: R18.2 U3.4 | length 2.5
  TOP SIG w0.2: R18.2@-12.85,1 -12.776,1.074 -12.176,1.074 -11.275,1.975 -10.81,1.975 U3.4@-10.785,2
ACT_PWR: D5.2 J3.3 J3.4 R51.1 U14.17 U14.18 U14.19 U14.20 U14.21 U14.22 U14.23 U14.24 | length 41.7
  TOP SIG w0.3: D5.2@21.3,9.05 21.325,9.025 22.225,9.025 v1(22.25,9)
  PWR+SIG w0.3: v1(8.25,-1.75) 8.288,-1.712 8.288,-1.412 9.6,-0.1 12.45,-0.1 17.055,4.505 17.055,6.055 19.5,8.5 21.75,8.5 v1(22.25,9)
  BOTTOM SIG w0.2: R51.1@15.25,9.1 15.325,9.1 15.625,8.8 15.625,8.375 17,7 17.75,7 19.105,8.355 21.605,8.355 v1(22.25,9)
  BOTTOM SIG w0.3: U14.20@8.25,-2.575 v1(8.25,-1.75)
  BOTTOM SIG w1.5: 2.75,-11.5 2.75,-4.5 4.25,-3 6.5,-3
ANT_DETECT: R45.2 U12.16 | length 5.2
  TOP SIG w0.2: U12.16@11.7,-9.1 11.75,-9.15 v1(11.75,-11)
  BOTTOM SIG w0.2: v1(11.75,-11) 12.5,-10.25 12.5,-9.025 13.175,-8.35 R45.2@13.25,-8.35
ANT_SENSE: R40.2 R42.1 U13.3 | length 3.1
  BOTTOM SIG w0.2: R42.1@15.15,-14 15.388,-13.762 16.338,-13.762 R40.2@16.5,-13.6 ; R40.2@16.5,-13.5 16.5,-12.275 U13.3@16.525,-12.25 ; U13.3@16.525,-12.25 U13.3@16.675,-12.25 U13.3@16.525,-12.25